# Altium PCB BabbleVR_PCB.PcbDoc (continued)
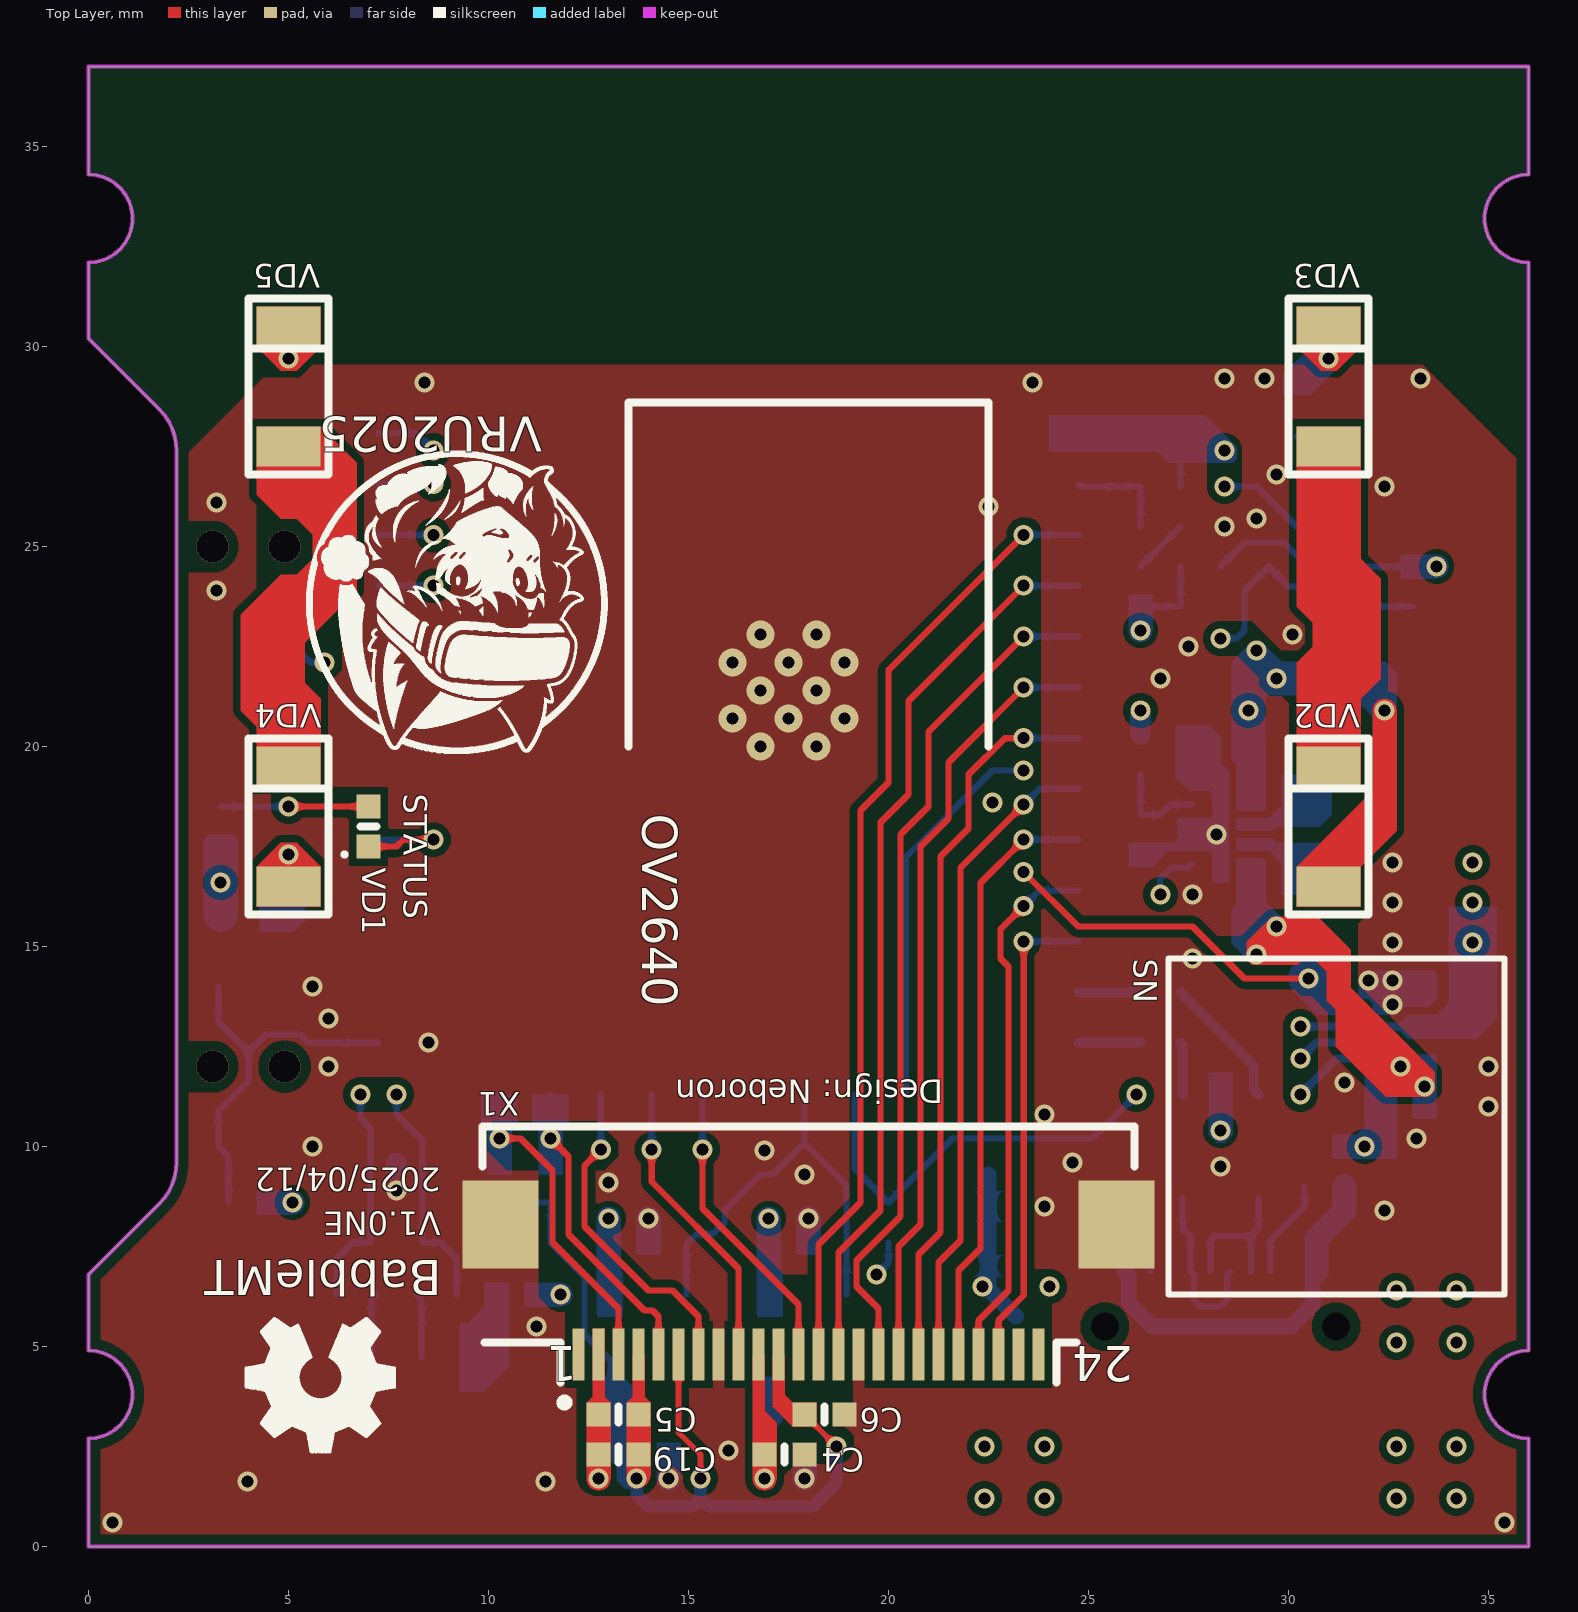
[diagram p0: Top Layer view]
## Nets (pads, with @x,y where several pads share a name; then routed paths per layer and width w, separated by ;. In a path a pad name is that pad's centre, name@x,y a point inside that pad or via, vN(x,y) a via of type N, cw(c..) or ccw(c..) an arc to the next point about the centre after c; other vN are vias at no path point)
1V2: C4.1 C17.1 D6.5 X1.10
  other v1: 16.9,1.7
2V8: C5.1 C6.1 C13.1 C19.1 D4.5 R4.1 R5.1 X1.4 X1.6 X1.11 | length 18.6
  Top Layer w0.14: X1.6 14.75,2.85 15.3,2.3 v1(15.3,1.7) ; C6.1 v1(18.7,2.5)
  Bottom Layer w0.16: R4.1 R5.1 11.55,7.6 12.4,6.75 12.4,5.3 13.05,4.65 D4.5
  Bottom Layer w0.3: v1(13.7,1.7) 13.7,1.3 14,1 15.1,1 15.3,1.2 ; v1(15.3,1.7) 15.3,1.2 ; v1(18.7,2.5) 18.7,1.6 18.1,1 15.5,1 15.3,1.2
3V3: C1.2 C3.2 C10.2 C11.2 C12.1 C14.1 D1.2 D2.1 D4.1 D6.1 L3.1 R1.2 R2.1 R3.2 R8.2 R9.2 R13.2 R17.1 | length 8.8
  Int1 (PWR) w0.5: v1(26.3,20.9) v1(29,20.9)
  Bottom Layer w0.16: v1(19.7,6.8) 20,7.1 R17.1 ; R1.2 27.3,27.45 C1.2
  Bottom Layer w0.5: R13.2 v1(26.3,20.9)
  Bottom Layer w0.85: C10.2 v1(29,20.9) C11.2 R8.2
  other v1: 11.8,6.3 13,8.2 17,8.2 5.1,8.6 3.3,16.6 29.7,21.7 29.2,22.4 28.4,27.4
5V_USB: C9.1 C27.1 D3.5 D5.A2 L1.1 | length 3.8
  Int1 (PWR) w0.3: v1(28.3,10.4) 28.7,10 v1(31.9,10)
BAT_MON_EN: D1.17 R20.2 VT2.2 | length 20.4
  Int1 (PWR) w0.16: v1(23.38,19.4) 26.28,22.3 26.5,22.3 27.3,23.1 27.9,23.1 v1(28.3,22.7)
  Bottom Layer w0.16: D1.17 20.43,17.23 22.6,19.4 v1(23.38,19.4) ; v1(28.3,22.7) 28.7,22.7 28.9,22.9 28.9,23.9 R20.2 30,24 VT2.2 VT2.2@30.735,23.93
BAT_VOLT: C18.2 D1.38 R18.1 R19.2 | length 23.8
  Int1 (PWR) w0.16: v1(8.62,26.56) 24.74,26.56 26.3,25 v1(26.3,22.9)
  Bottom Layer w0.16: D1.38 v1(8.62,26.56) ; C18.2 R19.2 R18.1
CHG_INT: D1.18 D5.A1 R17.2 | length 16.3
  Int1 (PWR) w0.16: v1(26.2,11.3) v1(30.3,11.3)
  Bottom Layer w0.16: D1.18 19.16,9.44 R17.2 21.6,10.2 25.1,10.2 v1(26.2,11.3)
  Bottom Layer w0.2: v1(30.3,11.3) 31.2,12.2 D5.A1
DVP_D2: D1.9 X1.19 | length 16.2
  Top Layer w0.16: X1.19 21.25,7.1 21.8,7.65 21.8,16.97 v1(23.38,18.55)
  Bottom Layer w0.16: v1(23.38,18.55) 23.77,18.94 D1.9
DVP_D3: D1.11 X1.21 | length 13.4
  Top Layer w0.16: X1.21 22.25,5.65 23,6.4 23,14.5 22.8,14.7 22.8,15.43 v1(23.38,16.01)
  Bottom Layer w0.16: v1(23.38,16.01) 23.77,16.4 D1.11
DVP_D4: D1.12 X1.22 | length 12
  Top Layer w0.16: X1.22 22.75,5.65 23.38,6.28 v1(23.38,15.13)
  Bottom Layer w0.16: v1(23.38,15.13) D1.12
DVP_D5: D1.10 X1.20 | length 14.9
  Top Layer w0.16: X1.20 21.75,6.9 22.3,7.45 22.3,16.59 v1(23.38,17.67)
  Bottom Layer w0.16: v1(23.38,17.67) D1.10
DVP_D6: D1.8 X1.18 | length 18.1
  Top Layer w0.16: X1.18 20.75,7.3 21.3,7.85 21.3,17.25 22,17.95 22,19.3 22.91,20.21 v1(23.38,20.21)
  Bottom Layer w0.16: v1(23.38,20.21) D1.8
DVP_D7: D1.6 X1.16 | length 21.3
  Top Layer w0.16: X1.16 19.75,5.95 19.2,6.5 19.2,7.15 20.3,8.25 20.3,17.8 21,18.5 21,20.37 v1(23.38,22.75)
  Bottom Layer w0.16: v1(23.38,22.75) D1.6
DVP_D8: D1.5 X1.14 | length 22.5
  Top Layer w0.16: X1.14 18.75,7.35 19.8,8.4 19.8,18.1 20.5,18.8 20.5,21.14 v1(23.38,24.02)
  Bottom Layer w0.16: v1(23.38,24.02) D1.5
DVP_D9: D1.21 X1.12 | length 7.5
  Top Layer w0.16: v1(15.35,9.93) 15.35,8.45 17.75,6.05 X1.12
  Bottom Layer w0.16: v1(15.35,9.93) D1.21
DVP_HREF: D1.22 X1.9 | length 7.4
  Top Layer w0.16: v1(14.08,9.93) 14.08,9.12 16.25,6.95 X1.9
  Bottom Layer w0.16: v1(14.08,9.93) D1.22
DVP_PCLK: D1.7 X1.17 | length 19.3
  Top Layer w0.16: X1.17 20.25,7.5 20.8,8.05 20.8,17.5 21.5,18.2 21.5,19.6 v1(23.38,21.48)
  Bottom Layer w0.16: v1(23.38,21.48) D1.7
DVP_VSYNC: D1.23 X1.7 | length 8.2
  Top Layer w0.16: v1(12.81,9.93) 12.4,9.52 12.4,8 14,6.4 14.6,6.4 15.25,5.75 X1.7
  Bottom Layer w0.16: v1(12.81,9.93) D1.23
GND: C1.1 C2.1 C3.1 C4.2 C5.2 C6.2 C7.1 C8.2 C9.2 C10.1 C11.1 C12.2 C13.2 C14.2 C15.2 C16.2 C17.2 C18.1 C19.2 C27.2 C33.2 D1.0 D1.1 D1.40 D2.6 D2.7 D3.2 D4.2 D4.4 D5.D2 D6.2 D6.4 R7.2 R10.1 R11.1 R12.1 R14.1 R19.1 R20.1 R22.2 SB1.1 SB2.2 VD6.3 VT1.3 VT2.1 X1.2 X1.8 X1.15 X1.SH1 X1.SH2 X2.A1 X2.B1 X3.2 X4.0 X4.4 | length 2.1
  Bottom Layer w0.16: C18.1 27.08,25.28 C2.1
  Bottom Layer w0.5: v1(7.7,8.9) VD6.3
  other v1: 0.6,0.6 35.4,0.6 3.975,1.625 11.425,1.625 12.75,1.7 14.5,1.7 17.9,1.7 16,2.4 5.2,4.7 11.2,5.5 14,8.2 18,8.2 32.4,8.4 23.9,8.5 13,9.1 17.9,9.3 28.3,9.5 24.6,9.6 16.9,9.9 5.6,10 33.2,10.2 23.9,10.8 35,11 31.4,11.6 6,12 35,12 8.5,12.6 6,13.2 32.6,13.55 5.6,14 32,14.15 32.6,14.15 27.6,14.7 32.6,15.1 32.6,16.1 27.6,16.3 32.6,17.1 28.2,17.8 22.6,18.6 26.8,21.7 27.5,22.5 30.1,22.8 3.2,23.9 28.4,25.5 29.2,25.7 22.5,26 3.2,26.1 32.4,26.5 29.7,26.8 8.4,29.1 23.6,29.1 28.4,29.2 29.4,29.2 33.3,29.2
  other v2: 16.8,20 18.2,20 16.1,20.7 17.5,20.7 18.9,20.7 16.8,21.4 18.2,21.4 16.1,22.1 17.5,22.1 18.9,22.1 16.8,22.8 18.2,22.8
HALL_SWITCH: D1.20
I2C_SCL: D1.24 D5.B1 R5.2 X1.5 | length 29.6
  Top Layer w0.16: v1(11.55,10.2) 12,9.75 12,7.8 13.9,5.9 14.1,5.9 14.25,5.75 X1.5 X1.5@14.215,4.835
  Int1 (PWR) w0.16: v1(11.55,10.2) 13.55,12.2 v1(30.3,12.2)
  Bottom Layer w0.16: D1.24 11.55,11.29 R5.2
  Bottom Layer w0.2: v1(30.3,12.2) 30.7,12.6 D5.B1
I2C_SDA: D1.25 D5.C1 R4.2 X1.3 | length 31.3
  Top Layer w0.16: v1(10.275,10.2) 10.8,10.2 11.6,9.4 11.6,7.6 13.25,5.95 X1.3
  Int1 (PWR) w0.16: v1(10.275,10.2) 13.075,13 v1(30.3,13)
  Bottom Layer w0.16: D1.25 10.275,11.295 v1(10.275,10.2) R4.2
  Bottom Layer w0.2: v1(30.3,13) D5.C1
IR_LED_ON: D1.39 R6.2 | length 24.4
  Int1 (PWR) w0.16: v1(8.62,27.4) 27.5,27.4 v1(28.4,26.5)
  Bottom Layer w0.16: D1.39 8.19,27.83 v1(8.62,27.4) ; v1(28.4,26.5) 29.2,26.5 30.2,25.5 R6.2
IS_POWER_EN: D1.19 D4.3 D6.3 R22.1 | length 10.9
  Bottom Layer w0.16: D4.3 14.95,7.55 R22.1 15.22,7.82 15.62,7.82 15.9,8.1 15.9,8.4 16.8,9.3 17.1,9.3 17.89,10.09 ; D1.19 17.89,10.09 ; D6.3 18.95,9.03 17.89,10.09
NetC2_2: C2.2 D1.3 R1.1 | length 2.6
  Bottom Layer w0.16: D1.3 24.81,26.5 R1.1 C2.2
NetC8_1: C8.1 R10.2 X2.SH2 | length 4
  Bottom Layer w0.4: v1(22.35,6.5) 22.44,6.5 X2.SH2 ; X2.SH2@22.5,6.44 R10.2 C8.1
  other v1: 24.025,6.5
NetD1_27: D1.27 R2.2 SB1.2 | length 9.6
  Bottom Layer w0.16: SB1.2@3.25,14 3.25,13.115 4,12.365 ; R2.2 3.5,9.75 3.25,10 3.25,10.885 4,11.635 4,12.365 ; D1.27 5.51,12.59 5.3,12.8 4.435,12.8 4,12.365
NetD2_2: D2.2 L2.1
NetD2_3: D2.3 L2.2
NetD2_8: D2.8 R13.1 R14.2 | length 2.4
  Bottom Layer w0.16: R13.1 R14.2 26.8,18.3 27.05,18.55 D2.8
NetD3_1: D3.1 X2.A7 X2.B7 | length 3.7
  Bottom Layer w0.16: X2.A7 28.05,7.65 28.163,7.763 29.063,7.763 ; X2.B7 29.063,6.888 29.063,7.763 ; D3.1 29.25,7.95 29.063,7.763
NetD3_3: D3.3 X2.A6 X2.B6 | length 4.4
  Bottom Layer w0.16: D3.3 27.35,7.95 27.55,7.75 X2.B6 27.63,6.795 27.63,6.17 27.8,6 28.3,6 28.47,6.17 28.47,6.795 X2.A6
NetD3_4: D3.4 R15.2 | length 1.3
  Bottom Layer w0.24: R15.2 27.35,12.55 D3.4
NetD3_6: D3.6 R16.2 | length 3.4
  Bottom Layer w0.24: R16.2 29.135,12.015 29.135,11.415 D3.6
NetD5_D1: D5.D1 SB2.1 TP1.1 | length 34.3
  Top Layer w0.16: v1(23.38,16.86) 24.74,15.5 27.6,15.5 28.9,14.2 v1(30.5,14.2)
  Int1 (PWR) w0.16: v1(5.9,22.1) 11.14,16.86 v1(23.38,16.86)
  Bottom Layer w0.16: SB2.1@4.75,27 4.75,26.9 5.8,25.85 5.8,24.15 4.75,23.1 4.75,23 4.75,22.9 5.55,22.1 v1(5.9,22.1)
NetL1_2: L1.2 X2.A4 X2.B4 | length 9.2
  Bottom Layer w0.4: X2.B4 26,6.775 26,6.1 26.6,5.5 30.059,5.5 30.6,6.041 30.6,6.775 X2.A4
  Bottom Layer w0.6: X2.A4 30.7,7.7 31.4,8.4 L1.2
NetL3_2: L3.2 X4.1
NetR3_1: R3.1 VD1.2 | length 3.7
  Top Layer w0.16: v1(5,18.5) VD1.2
  Bottom Layer w0.16: R3.1 v1(5,18.5)
NetR6_1: R6.1 R7.1 VT1.1 | length 2.9
  Bottom Layer w0.16: VT1.1 30.3,27.75 30.7,27.35 R7.1 30.92,26.28 R6.1
NetR8_1: R8.1 VD2.2
  other v1: 32.4,20.9
NetR9_1: R9.1 VD4.2
  other v1: 5,17.3
NetR11_2: R11.2 X2.B5 | length 2.3
  Bottom Layer w0.16: R11.2 26.2,8.2 26.55,7.85 X2.B5
NetR12_2: R12.2 X2.A5 | length 2.5
  Bottom Layer w0.16: X2.A5 29.55,7.65 30.4,8.5 R12.2
NetR18_2: R18.2 VT2.3 | length 2.9
  Bottom Layer w0.16: R18.2 28.9,25.1 29.88,25.1 30.48,24.5 VT2.3
NetR21_1: R21.1 VT2.5 VT2.6 | length 1.7
  Bottom Layer w0.16: VT2.5 VT2.6 R21.1
NetR24_2: R24.2 X4.2 | length 1.6
  Bottom Layer w0.16: R24.2 8.325,6.175 X4.2
NetR25_2: R25.2 X4.3 | length 1.6
  Bottom Layer w0.16: X4.3 7.075,6.175 R25.2
NetVD2_1: VD2.1 VD3.2
NetVD3_1: VD3.1 VD5.1 VT1.2 | length 27.2
  Int1 (PWR) w0.6: v1(5,29.7) 6.5,28.2 29.5,28.2 v1(31,29.7)
NetVD4_1: VD4.1 VD5.2
STATUS_LED: D1.31 VD1.1 | length 3.1
  Top Layer w0.16: VD1.1 7.7,17.5 7.87,17.67 v1(8.62,17.67)
  Bottom Layer w0.16: D1.31 v1(8.62,17.67)
SYS: C7.2 C15.1 C16.1 D2.4 D2.5 D5.B2 R21.2 VT2.4 | length 18.4
  Int1 (PWR) w0.16: v1(26.8,16.3) 27.5,15.6 28.4,15.6 v1(29.2,14.8) ; v1(32.8,12) 33.7,12.9 v1(33.7,24.5)
  Bottom Layer w0.16: v1(26.8,16.3) 26.786,16.314 26.786,16.686 27.07,16.97 27.485,16.97 D2.5 ; VT2.4 R21.2
  other v1: 33.4,11.5 29.7,15.5
UART_RX: D1.36 R25.1 VD6.2 | length 20.6
  Int2 (GND) w0.16: v1(6.8,11.3) 7.3,11.8 7.3,22.7 v1(8.62,24.02)
  Bottom Layer w0.16: R25.1 6.2,7.2 6.6,7.6 VD6.2 7.05,10.45 6.8,10.7 v1(6.8,11.3) ; D1.36 v1(8.62,24.02)
UART_TX: D1.37 R24.1 VD6.1 | length 22.1
  Int2 (GND) w0.16: v1(7.7,11.3) 7.7,22.3 9.2,23.8 9.2,24.71 v1(8.62,25.29)
  Bottom Layer w0.16: D1.37 v1(8.62,25.29) ; v1(7.7,11.3) 7.7,10.8 8.35,10.15 VD6.1 8.8,7.6 9.2,7.2 R24.1
USBD_N: D1.13 R16.1 | length 1.6
  Bottom Layer w0.24: D1.13 24.76,13.85 R16.1
USBD_P: D1.14 R15.1 | length 1.6
  Bottom Layer w0.24: D1.14 24.76,12.6 R15.1
VBAT: C33.1 D5.C2 X3.1
  other v1: 34.6,15.1 34.6,16.1 34.6,17.1
XMCLK: D1.4 X1.13 | length 24
  Top Layer w0.16: X1.13 18.25,7.55 19.3,8.6 19.3,18.4 20,19.1 20,21.91 v1(23.38,25.29)
  Bottom Layer w0.16: v1(23.38,25.29) D1.4
pads on no net: D1.15 D1.16 D1.26 D1.28 D1.29 D1.30 D1.32 D1.33 D1.34 D1.35 D3. D4. D5. D6. SB1.0 SB2.0 VD1. VD6. VT1. VT2. X1.1 X1.23 X1.24 X2.A8 X2.B8 X2.MH X2.SH1 X2.SH3 X2.SH4 X4.
copper on no net:
  other v1: 22.4,1.2 23.9,1.2 32.7,1.2 34.2,1.2 22.4,2.5 23.9,2.5 32.7,2.5 34.2,2.5 32.7,5.1 34.2,5.1 32.7,6.4 34.2,6.4

## Polygon pours and split planes (outlines as drawn)
GND on Int2 (GND) "GND_L03_P004" (solid, pour order 4): -1,0 -1,23.8 4.7,29.5 33.4,29.5 36,26.9 36,0
3V3 on Int1 (PWR) "3V3_L02_P001" (solid, remove dead copper, pour order 1): 2.75,27.7 2.75,9.55 0,6.8 0,0 36,0 36,26.9 35.2,27.7
GND on Top Layer "GND_L01_P002" (solid, remove dead copper, pour order 2): 4.7,29.55 2.4,27.25 2.4,9.2 0,6.8 0,0 36,0 36,26.9 33.35,29.55 33.25,29.55 25.5,29.55
GND on Bottom Layer "GND_L04_P000" (solid, remove dead copper, pour order 0): -1,0 -1,23.8 4.7,29.5 33.4,29.5 36,26.9 36,0

## Keep-outs
Keep-Out Layer:
  lines w0.1: 0,0 0,2.7 ccw(c0,3.8) 0,4.9 0,6.8 1.776,8.576 ccw(c0.751,9.6) 2.2,9.6 2.2,14.4 2.2,22.2 2.2,27.4 ccw(c0.751,27.4) 1.776,28.424 0,30.2 0,32.1 ccw(c0,33.2) 0,34.3 0,37 36,37 36,34.3 ccw(c36,33.2) 36,32.1 36,4.9 ccw(c36,3.8) 36,2.7 36,0 0,0

## Other copper
Top Layer:
  pour cut-out: 27.97,27.314 27.97,26.586 28.83,26.586 28.83,27.314
  pour cut-out: 6.886,11.73 7.614,11.73 7.614,10.87 6.886,10.87
  pour cut-out: 5.984,21.2 5.984,21.575 6.33,21.922 6.33,23.3 5.7,23.3 5.7,21.2
  pour cut-out: 12.718,10.63 13.24,10.108 13.24,9.752 12.898,9.41 10.457,9.41 9.845,10.022 9.845,10.378 10.097,10.63
  pour cut-out: 11.435,6.056 11.25,6.242 11.25,9.4 11.435,9.4 11.435,9
  pour cut-out: 30.157,13.935 30.322,13.77 30.57,13.77 30.82,13.52 30.9,13.52 30.9,14 30.157,14
  pour cut-out: 31.98,15.82 31.734,15.574 31.734,14.925 31.6,14.925 31.6,15.9 31.98,15.9
  pour cut-out: 29.08,15.255 28.155,15.255 28.1,15.2 29.025,15.2
  region net SYS: 30.95,13.65 30.95,14.375 30.675,14.65 30.325,14.65 30.225,14.55 29.075,14.55 28.95,14.675 28.95,15.125 29.575,15.75 30.725,15.75 31.55,14.925 31.55,13.975 32.425,13.1 33.65,11.875 33.65,11.4 33.5,11.25 32.425,11.25 31.175,12.5 31.175,13.425
  pour cut-out: 23.81,15.216 23.81,25.376 ccw(c23.466,25.376) 23.466,25.72 23.466,15.216
  region net NetR8_1: 32.1,20.9 32.1,18.9 30.2,17 30.2,16 31.8,16 31.8,17 32.7,17.9 32.7,20.9 ccw(c32.4,20.9) 32.4,21.2 ccw(c32.4,20.9)
  region net GND: 12.45,1.7 ccw(c12.75,1.7) 12.75,1.4 ccw(c12.75,1.7) 13.05,1.7 13.05,3.6 12.9,3.75 12.9,5.45 12.6,5.45 12.6,3.75 12.45,3.6
  region net 2V8: 13.45,1.7 ccw(c13.7,1.7) 13.7,1.45 ccw(c13.7,1.8) 14.05,1.8 14.05,3.6 13.45,3.6
  region net 1V2: 17.2,1.7 cw(c16.9,1.7) 16.9,1.4 cw(c16.9,1.7) 16.6,1.7 16.6,4.8 16.9,4.8 16.9,3.4 17.2,3.1
  pour cut-out: 13.7,1.266 13.7,5.63 12.2,5.63 12.2,1.8 ccw(c12.734,1.8) 12.734,1.266
  pour cut-out: 30.416,22.576 30.24,22.4 29.8,22.4 29.8,22.408 29.078,23.13 28.214,23.13 28.214,22.27 28.722,22.27 29.27,21.722 29.27,21.522 29.522,21.27 29.83,21.27 30.1,21 30.416,21
  pour cut-out: 14.87,1.786 14.656,2 14.4,2 14.2,1.8 14.05,1.8 14.05,2.2 14.87,2.2
  pour cut-out: 19.1,3.97 19.1,3.6 18.6,3.6 18.6,3 18.9,3 19.13,2.77 19.13,2.5 18.384,2.5 18.384,3.97
  pour cut-out: 17.384,1.64 17.384,1.784 17.6,2 17.6,2.6 18.2,2.6 18.2,2.07 18.7,2.07 18.7,2.816 17.3,2.816 17.3,1.64
  pour cut-out: 17.2,6.8 18.1,6.8 18.1,6.3 17.2,6.3
  pour cut-out: 14.166,10.36 15.264,10.36 15.264,10.016 14.166,10.016
  pour cut-out: 23.939,6.93 23.645,6.93 23.645,6.872 23.939,6.872
  pour cut-out: 24.08,5.63 24.08,6.07 23.939,6.07 23.939,5.63
  pour cut-out: 11.92,5.63 11.92,6 12.2,6 12.2,5.63
  pour cut-out: 15.985,5.63 15.9,5.63 15.9,3.97 15.985,3.97
  pour cut-out: 15.6,3.97 15.6,5.63 15.515,5.63 15.515,3.97
  pour cut-out: 19.1,3.97 19.1,5.45 19.4,5.45 19.4,3.97 19.485,3.97 19.485,5.63 19.015,5.63 19.015,3.97
  pour cut-out: 4.57,18.586 4.57,18.9 4.8,18.9 4.8,18.586
  pour cut-out: 30.02,17.18 30.02,18.816 31.624,18.816 31.624,17.18
  pour cut-out: 29.87,12.914 29.87,11.386 30.73,11.386 30.73,12.914
  pour cut-out: 32.484,21.7 32.484,21.384 32.387,21.384 32.387,21.7
  pour cut-out: 8.277,17.935 7.48,17.935 7.48,17.837 8.277,17.837
  pour cut-out: 6.52,18.98 5.98,18.98 5.98,18.82 6.52,18.82
  pour cut-out: 3.1,11.35 2.1,11.35 2.1,12.65 3.1,12.65
  pour cut-out: 3.186,24.35 2.5,24.35 2.5,25.65 3.186,25.65
  pour cut-out: 4.2,26.3 4.2,23.8 4.5,23.8 4.5,26.3
  pour cut-out: 5.61,29.55 5.276,29.216 4.2,29.216 4.2,29.55
  region net NetVD3_1: 30.2,31 30.2,30 30.8,29.4 31.2,29.4 31.8,30 31.8,31
  region net NetVD4_1: 3.8,20.9 4.2,20.5 4.2,19 5.8,19 5.8,21.2 5.4,21.6 5.4,22.6 6.7,23.9 6.7,27.1 5.8,28 4.2,28 4.2,26.3 4.8,25.7 5.2,25.7 5.6,25.3 5.6,24.7 5.2,24.3 4.8,24.3 3.8,23.3 3.8,22.1
  region net NetVD2_1: 30.2,19 30.2,22.1 30.6,22.5 30.6,23.1 30.2,23.5 30.2,28 31.8,28 31.8,24.7 32.3,24.2 32.3,21.7 31.8,21.2 31.8,19
  region net NetR9_1: 5.8,16 5.8,17 5.2,17.6 4.8,17.6 4.2,17 4.2,16
  region net NetVD3_1: 4.2,31 4.2,30 4.8,29.4 5.2,29.4 5.8,30 5.8,31
  region net 2V8: 13.45,3 13.45,3.6 13.6,3.75 13.6,4.8 13.9,4.8 13.9,3.75 14.05,3.6 14.05,3
  region net 2V8: 17.6,3 17.1,3.5 17.1,4.8 17.4,4.8 17.4,3.8 17.6,3.6 18.2,3.6 18.2,3
Int1 (PWR):
  pour cut-out: 29.2,20.4 29.5,20.7 29.5,21.1 29.2,21.4 28.9,21.4 28.73,21.57 28.73,22.614 26.814,22.614 24.6,20.4
  pour cut-out: 32.686,15.53 33.47,15.53 33.5,15.5 33.344,15.344 32.872,15.344
  pour cut-out: 32.514,15.53 31.13,15.53 31.1,15.5 31.6,15 31.984,15
  pour cut-out: 30.991,12.5 30.991,11.6 31.1,11.6 31.1,12.5
  pour cut-out: 30.73,12.914 30.73,11.386 30.554,11.386 30.554,12.914
  pour cut-out: 11.464,9.77 10.3,9.77 10.3,9.9 11.464,9.9
  pour cut-out: 25.77,11.386 25.77,12 25.9,12 25.9,11.386
  pour cut-out: 29.7,14.392 29.7,14.4 30.562,14.4 30.95,14.013 30.95,14.012 30.95,13.65 30.82,13.52 30.57,13.77 30.322,13.77
  region net SYS: 30.95,13.65 30.95,14.375 30.675,14.65 30.325,14.65 30.225,14.55 29.075,14.55 28.95,14.675 28.95,15.125 29.575,15.75 30.725,15.75 31.55,14.925 31.55,13.975 32.425,13.1 33.65,11.875 33.65,11.4 33.5,11.25 32.425,11.25 31.175,12.5 31.175,13.425
Bottom Layer:
  pour cut-out: 9.05,17.848 8.198,18.7 7.8,18.7 7.8,16.3 7.858,16.3 9.05,17.492
  pour cut-out: 8.18,28.46 9.05,27.59 9.05,23.842 8.108,22.9 7.8,22.9 7.8,28.08
  pour cut-out: 5.6,29.5 5.408,29.5 5.178,29.27 4.3,29.27 4.3,30 5.6,30
  pour cut-out: 4.07,22.22 4.07,26.22 5.05,26.22 5.05,22.22
  pour cut-out: 5.43,27.78 6.4,27.78 6.4,27.3 5.43,27.3
  pour cut-out: 5.05,22.22 6.47,20.8 6.5,20.8 6.5,22.4 5.05,22.4
  pour cut-out: 3.909,17.675 4.304,18.07 5,18.07 5,18.5 3.6,18.5 3.6,17.675
  pour cut-out: 2.506,14.855 4.25,14.855 4.25,13.4 5.25,13.4 5.8,12.85 5.8,12.7 2.506,12.7
  pour cut-out: 5.72,5.575 6.125,5.575 6.125,3.695 9.875,3.695 9.875,6.3 5.72,6.3
  pour cut-out: 5.584,8.66 5.584,9.066 5.25,9.4 4.25,9.4 4.25,10.6 4.75,10.6 5.55,11.4 5.55,12.05 5.8,12.3 5.8,12.59 3.8,12.59 3.8,8.66
  pour cut-out: 3.02,8.12 1.7,8.12 1.7,8.6 3.02,8.6
  pour cut-out: 6.785,10.34 6.37,10.755 6.37,11.478 6.622,11.73 8.4,11.73 8.4,10.34
  pour cut-out: 7.3,10.1 8.1,10.1 8.1,8.5 7.3,8.5
  pour cut-out: 17.53,2.97 17.53,1.646 17.776,1.4 18.024,1.4 18.2,1.576 18.2,2.608 18.522,2.93 18.878,2.93 19.13,2.678 19.13,1.554 18.576,1 17.3,1 17.3,2.97
  pour cut-out: 13.93,3.93 14.2,3.66 14.2,1.576 14.376,1.4 14.624,1.4 14.8,1.576 14.8,1.808 15.122,2.13 16.13,2.13 16.4,2.4 16.6,2.4 16.6,1 13.8,1 13.8,3.93
  pour cut-out: 11.8,5.816 12.135,5.482 12.135,4.865 12.57,4.43 13.53,4.43 13.53,6 11.8,6 11.8,5.816
  pour cut-out: 13.53,5.57 13.7,5.74 13.7,8.164 13.424,8.44 13.3,8.44 13.3,5.57
  pour cut-out: 14.47,5.57 14.3,5.74 14.3,7.9 14.7,8.3 15.85,8.3 15.9,8.25 15.9,7.725 15.48,7.305 15.48,5.62 15.43,5.57
  pour cut-out: 17.2,9.722 17.2,10 17,10.2 16.228,10.2 15.528,9.5 12.8,9.5 12.6,9.3 12.6,8.9 12.816,8.684 13.06,8.684 13.06,8.26 13,8.2 12.03,8.2 12.03,10.7 17.625,10.7 17.625,9.722
  pour cut-out: 25.287,10.013 25.175,9.9 23.65,9.9 23.475,9.725 23.475,7.275 24.325,7.275 24.46,7.14 24.46,6.93 21.895,6.93 21.895,10.013
  pour cut-out: 29.6,26.4 30.3,26.4 30.3,26.3 29.6,26.3
  pour cut-out: 33.7,10.516 33.916,10.516 34.1,10.7 34.1,12.3 34.7,12.3 35.384,12.984 35.384,13.2 34.6,13.2 33.7,12.3
  pour cut-out: 29.87,11.386 29.87,14.055 30.5,14.685 30.5,11.5 30.3,11.3
  pour cut-out: 30.7,9.7 30.7,10.3 31.1,10.7 31.7,10.7 31.7,11.835 31.621,11.915 31.86,11.915 31.9,11.875 31.9,10.5 31.7,10.3 31.1,10.3 31.1,9.985 30.815,9.7
  pour cut-out: 31.53,6.009 31.264,6.275 31.2,6.275 31.2,9.416 30.916,9.7 29.04,9.7 28.6,9.26 28.6,8.15 28.3,8.15 28.3,5.113 30.729,5.113 30.85,4.991 31.53,5.671
  pour cut-out: 25.07,6.009 25.336,6.275 25.4,6.275 25.4,9.2 25.9,9.7 27.56,9.7 28,9.26 28,8.15 28.3,8.15 28.3,5.113 25.871,5.113 25.75,4.991 25.07,5.671
  pour cut-out: 25.68,11.96 26.64,11.96 26.9,11.7 27.1,11.7 27.1,12.294 25.68,12.294
  pour cut-out: 22.413,19.587 22.95,20.125 22.95,25.468 23.882,26.4 24,26.4 24,20.4 23.187,19.587
  pour cut-out: 22.4,19 22.8,19 22.95,18.85 22.95,14.952 23.202,14.7 23.294,14.7 23.294,18.877 23.037,19.135 22.535,19.135
  pour cut-out: 23.294,14.7 23.466,14.7 23.9,14.266 23.9,14.851 23.294,14.851
  pour cut-out: 30.22,26.98 30.22,27.32 30.35,27.32 30.35,26.98
  pour cut-out: 28.884,27.2 28.884,26.765 28.772,26.765 28.772,27.2
  pour cut-out: 32.62,23.235 32.62,23.02 32.45,23.02 32.45,23.235
  pour cut-out: 32.62,24.98 32.45,24.98 32.45,24.83 32.62,24.83
  pour cut-out: 31.18,24.83 31.18,25.1 31.1,25.1 31.1,24.83
  pour cut-out: 29.893,22.317 29.2,23.01 29.2,23.8 29.8,23.8 29.95,23.65 31.16,23.65 31.18,23.67 30.75,24.1 29.4,24.1 29.1,23.8 29.1,22.85 29.633,22.317
  pour cut-out: 28.486,26.07 29.3,26.07 29.3,26.2 28.486,26.2
  pour cut-out: 29.5,25.9 29.5,25.3 29.7,25.3 29.7,25.9
  pour cut-out: 28.314,26.07 28.05,26.07 27.78,25.8 27.78,26.3 28.314,26.3
  pour cut-out: 27.78,26.02 27.78,25.8 27,25.8 27,25.2 28.7,25.2 28.7,25 26.8,25 26.8,26.02
  pour cut-out: 31.255,17.48 31.255,18.12 31.155,18.12 31.155,17.48
  pour cut-out: 30.134,15.594 30.134,15.734 30.5,16.1 30.5,16.3 30,16.3 30,15.594
  pour cut-out: 32.45,13.3 32.7,13.3 32.9,13.5 33.7,13.5 33.6,13.4 32.815,13.4 32.699,13.284 32.466,13.284
  pour cut-out: 32.1,13.487 32.1,13.575 31.975,13.7 31.85,13.7 31.75,13.8 31.75,14.21 31.68,14.28 31.68,13.683 31.881,13.481 32.094,13.481
  region net SYS: 28.575,15.075 29.1,14.55 29.3,14.55 29.95,15.2 29.95,15.594 29.425,16.119 29.425,16.25 28.9,16.25 28.575,15.925
  pour cut-out: 27.175,14.33 26.8,14.33 26.8,16.056 27.175,16.056 27.175,15.925
  pour cut-out: 27.23,16.214 27.23,16.45 27.485,16.705 27.18,16.705 27.18,16.265
  pour cut-out: 27.935,22.944 28.192,23.2 28.6,23.2 28.6,23.8 28.7,23.8 28.7,22.944
  pour cut-out: 27.78,23.02 27.22,23.02 26.3,22.1 26.3,21.33 25.68,21.33 25.68,24.8 28,24.8 28,24.2 28.7,24.2 28.7,23.8 28,23.8 27.78,23.58
  pour cut-out: 27.5,18.9 27.175,19.225 27.175,20.633 26.478,21.33 25.6,21.33 25.6,18.9
  pour cut-out: 27.055,16.71 25.6,16.71 25.6,17.8 27.055,17.8
  region net SYS: 28.575,15.075 28.575,15.925 28.705,16.055 28.705,17.21 29.365,17.21 29.425,17.15 29.425,15.075
  region net NetL3_2: 9.275,5.575 9.475,5.575 9.9,6 9.9,6.6 10.5,6.6 10.5,4.5 9.875,3.875 9.275,3.875
  region net 3V3: 5.1,8.9 cw(c5.1,8.6) 5.4,8.6 cw(c5.1,8.6) 5.1,8.3 4.2,8.3 4.2,8.9
  region net 3V3: 11.8,6.6 cw(c11.8,6.3) 12.1,6.3 cw(c11.8,6.3) 11.8,6 10.9,6 10.9,6.6
  region net I2C_SCL: 11.25,9.295 11.25,10.39 11.095,10.545 11.095,11.295 11.995,11.295 11.995,10.545 11.85,10.4 11.85,9.295
  region net I2C_SDA: 9.975,9.3 9.975,10.395 9.82,10.55 9.82,11.3 10.72,11.3 10.72,10.55 10.575,10.405 10.575,9.3
  region net SYS: 33.7,24.8 cw(c33.7,24.5) 34,24.5 cw(c33.7,24.5) 33.7,24.2 32.8,24.2 32.8,24.8
  region net BAT_VOLT: 26.6,22.9 cw(c26.3,22.9) 26.3,22.6 cw(c26.3,22.9) 26,22.9 26,23.8 26.6,23.8
  region net 3V3: 16.7,8.2 cw(c17,8.2) 17,8.5 cw(c17,8.2) 17.3,8.2 17.3,7.3 16.7,7.3
  region net 3V3: 12.7,8.2 cw(c13,8.2) 13,8.5 cw(c13,8.2) 13.3,8.2 13.3,7.3 12.7,7.3
  region net GND: 17.7,8.2 cw(c18,8.2) 18,8.5 cw(c18,8.2) 18.3,8.2 18.3,7.3 17.7,7.3
  region net GND: 13.7,8.2 cw(c14,8.2) 14,8.5 cw(c14,8.2) 14.3,8.2 14.3,7.3 13.7,7.3
  region net GND: 14.8,1.7 cw(c14.5,1.7) 14.5,1.4 cw(c14.5,1.7) 14.2,1.7 14.2,2.6 14.8,2.6
  region net 1V2: 17.2,1.7 cw(c16.9,1.7) 16.9,1.4 cw(c16.9,1.7) 16.6,1.7 16.6,2.6 17.2,2.6
  region net GND: 18.2,1.7 cw(c17.9,1.7) 17.9,1.4 cw(c17.9,1.7) 17.6,1.7 17.6,2.6 18.2,2.6
  region net 2V8: 13.2,2 13.2,1.65 13.4,1.45 13.7,1.45 ccw(c13.7,1.7) 13.95,1.7 13.95,1.85 13.8,2 13.8,3.8 13.35,4.25 12.75,4.25 12.75,2.45
  region net NetD5_D1: 30.141,13.859 30.7,13.3 31.8,13.3 31.8,13.5 31.7,13.5 31.55,13.65 31.55,14.15 31,14.7 30.5,14.7 ccw(c30.5,14.2) 30,14.2 ccw(c30.483,14.2)
  region net GND: 32.2,13.3 32.2,13.4 32.1,13.4 32.1,13.575 31.975,13.7 31.85,13.7 31.75,13.8 31.75,14.15 cw(c32,14.15) 32,14.4 33.6,14.4 cw(c33.6,14.3) 33.7,14.3 33.7,13.7 33.5,13.5 32.9,13.5 32.7,13.3
  region net NetVD3_1: 29.85,28.8 30.55,28.8 31.3,29.55 31.3,29.9 31.2,30 30.55,30 29.85,29.3
  region net 3V3: 2.875,15.8 2.875,17.675 3,17.8 3.6,17.8 3.725,17.675 3.725,15.8
  region net 3V3: 30.175,22.125 29.825,22.125 29.3,22.65 29.1,22.65 28.575,22.125 28.575,21.7 30.175,21.7
  region net 3V3: 28.7,27.325 28.7,27.2 28.6,27.1 27,27.1 26.6,27.5 26.6,28.28 27.92,28.28 28.7,27.5
  region net NetR9_1: 4.275,15.375 4.275,17.075 4.8,17.6 5.2,17.6 5.4,17.4 5.4,15.65 5.125,15.375
  region net NetR8_1: 31.575,22.125 31.575,21.275 32.25,20.6 32.5,20.6 32.7,20.8 32.7,21.85 32.425,22.125
  region net 3V3: 16.7,7.9 16.7,5.8 16.75,5.75 17.35,5.75 17.35,6.85 17.3,6.9 17.3,7.9
  region net 3V3: 12.7,7.9 12.7,5.8 12.75,5.75 13.35,5.75 13.35,6.85 13.3,6.9 13.3,7.9
  region net 1V2: 16.6,4.1 16.75,4.25 17.35,4.25 17.35,3.15 17.2,3 17.2,2.3 16.6,2.3
  region net 3V3: 24,28.28 27.07,28.28 27.175,28.175 28.025,28.175 28.7,27.5 28.7,27.325 27.175,27.325 27.12,27.38 24,27.38
  region net 5V_USB: 28,11.85 28,10.3 28.2,10.1 28.4,10.1 28.6,10.3 28.6,11.85
  region net 5V_USB: 31.1,10.3 31.1,9.7 32.7,9.7 32.7,10.7 32.7,11.425 32.3,11.825 32.3,12.2 32.1,12.2 32.1,12.075 31.9,11.875 31.9,10.5 31.7,10.3
  region net VBAT: 33.4,13.3 33.7,13.3 34,13.6 34,16 35.2,16 35.2,13.2 34.7,12.7 33.4,12.7
  region net VBAT: 32.975,13.3 32.775,13.1 32.2,13.1 32.2,12.9 32.775,12.9 32.975,12.7 33.4,12.7 33.4,13.3
  region net SYS: 32.5,11.9 33.1,11.3 33.1,10.7 33.7,10.7 33.7,12.3 33.1,12.3 32.7,12.7 32.2,12.7 32.2,12.5 32.325,12.5 32.5,12.325 32.5,12.2
  region net GND: 28.5,19.4 28.3,19.6 28.3,20.25 28.025,20.525 27.175,20.525 27.175,19.225 27.5,18.9 28,18.9 28.1,18.8 28.1,18.3 28,18.2 28,18.1 28.5,18.1
  region net GND: 27.235,17.71 27.125,17.6 26,17.6 26,17 26.6,17 26.99,17.39 27.565,17.39 27.565,17.71
  region net 3V3: 28.705,18.39 28.705,19.545 28.575,19.675 28.575,20.1 29.425,20.1 29.425,18.45 29.365,18.39
  region net GND: 28.5,16.6 28.5,18.21 27.235,18.21 27.235,17.39 28.01,17.39 28.1,17.3 28.1,16.6
  region net NetD2_3: 29.51,17.39 29.825,17.075 29.825,16.3 31.075,16.3 31.075,17.3 30.775,17.6 29.7,17.6 29.59,17.71 28.705,17.71 28.705,17.39
  region net NetD2_2: 29.51,18.21 29.825,18.525 29.825,19.3 31.075,19.3 31.075,18.3 30.775,18 29.7,18 29.59,17.89 28.705,17.89 28.705,18.21

## Silkscreen, mask and mechanical layers (free items; w line width, h text height)
Top Overlay:
  drawing of 42 lines, arcs and shapes, not listed
  text "VRU2025" at 11.341,28.53 h1.5 r180
  text "STATUS" at 7.686,18.825 h1 r270
  text "OV2640" at 13.553,18.323 h1.5 r270
  text "SN" at 25.937,14.7 h1 r270
  text "Design: Neboron" at 21.373,11.868 h1 r180
  text "2025/04/12" at 8.8,9.664 h1 r180
  text "V1.0NE" at 8.8,8.564 h1 r180
  text "BabbleMT" at 8.836,7.446 h1.5 r180
Bottom Overlay:
  lines w0.2: 32.1,18.5 33.1,18.5 ; 34.1,18.5 35.1,18.5 ; 34.6,18 34.6,19

## Text inside footprints (layer, text, board x,y; h text height)
X1: Top Overlay "24" at 26.113,5.295 h1.5 r180; Top Overlay "1" at 12.213,5.295 h1.5 r180